# Altium PCB 3-as-manufactured.pcbdoc (part 12 of 12) (continued)
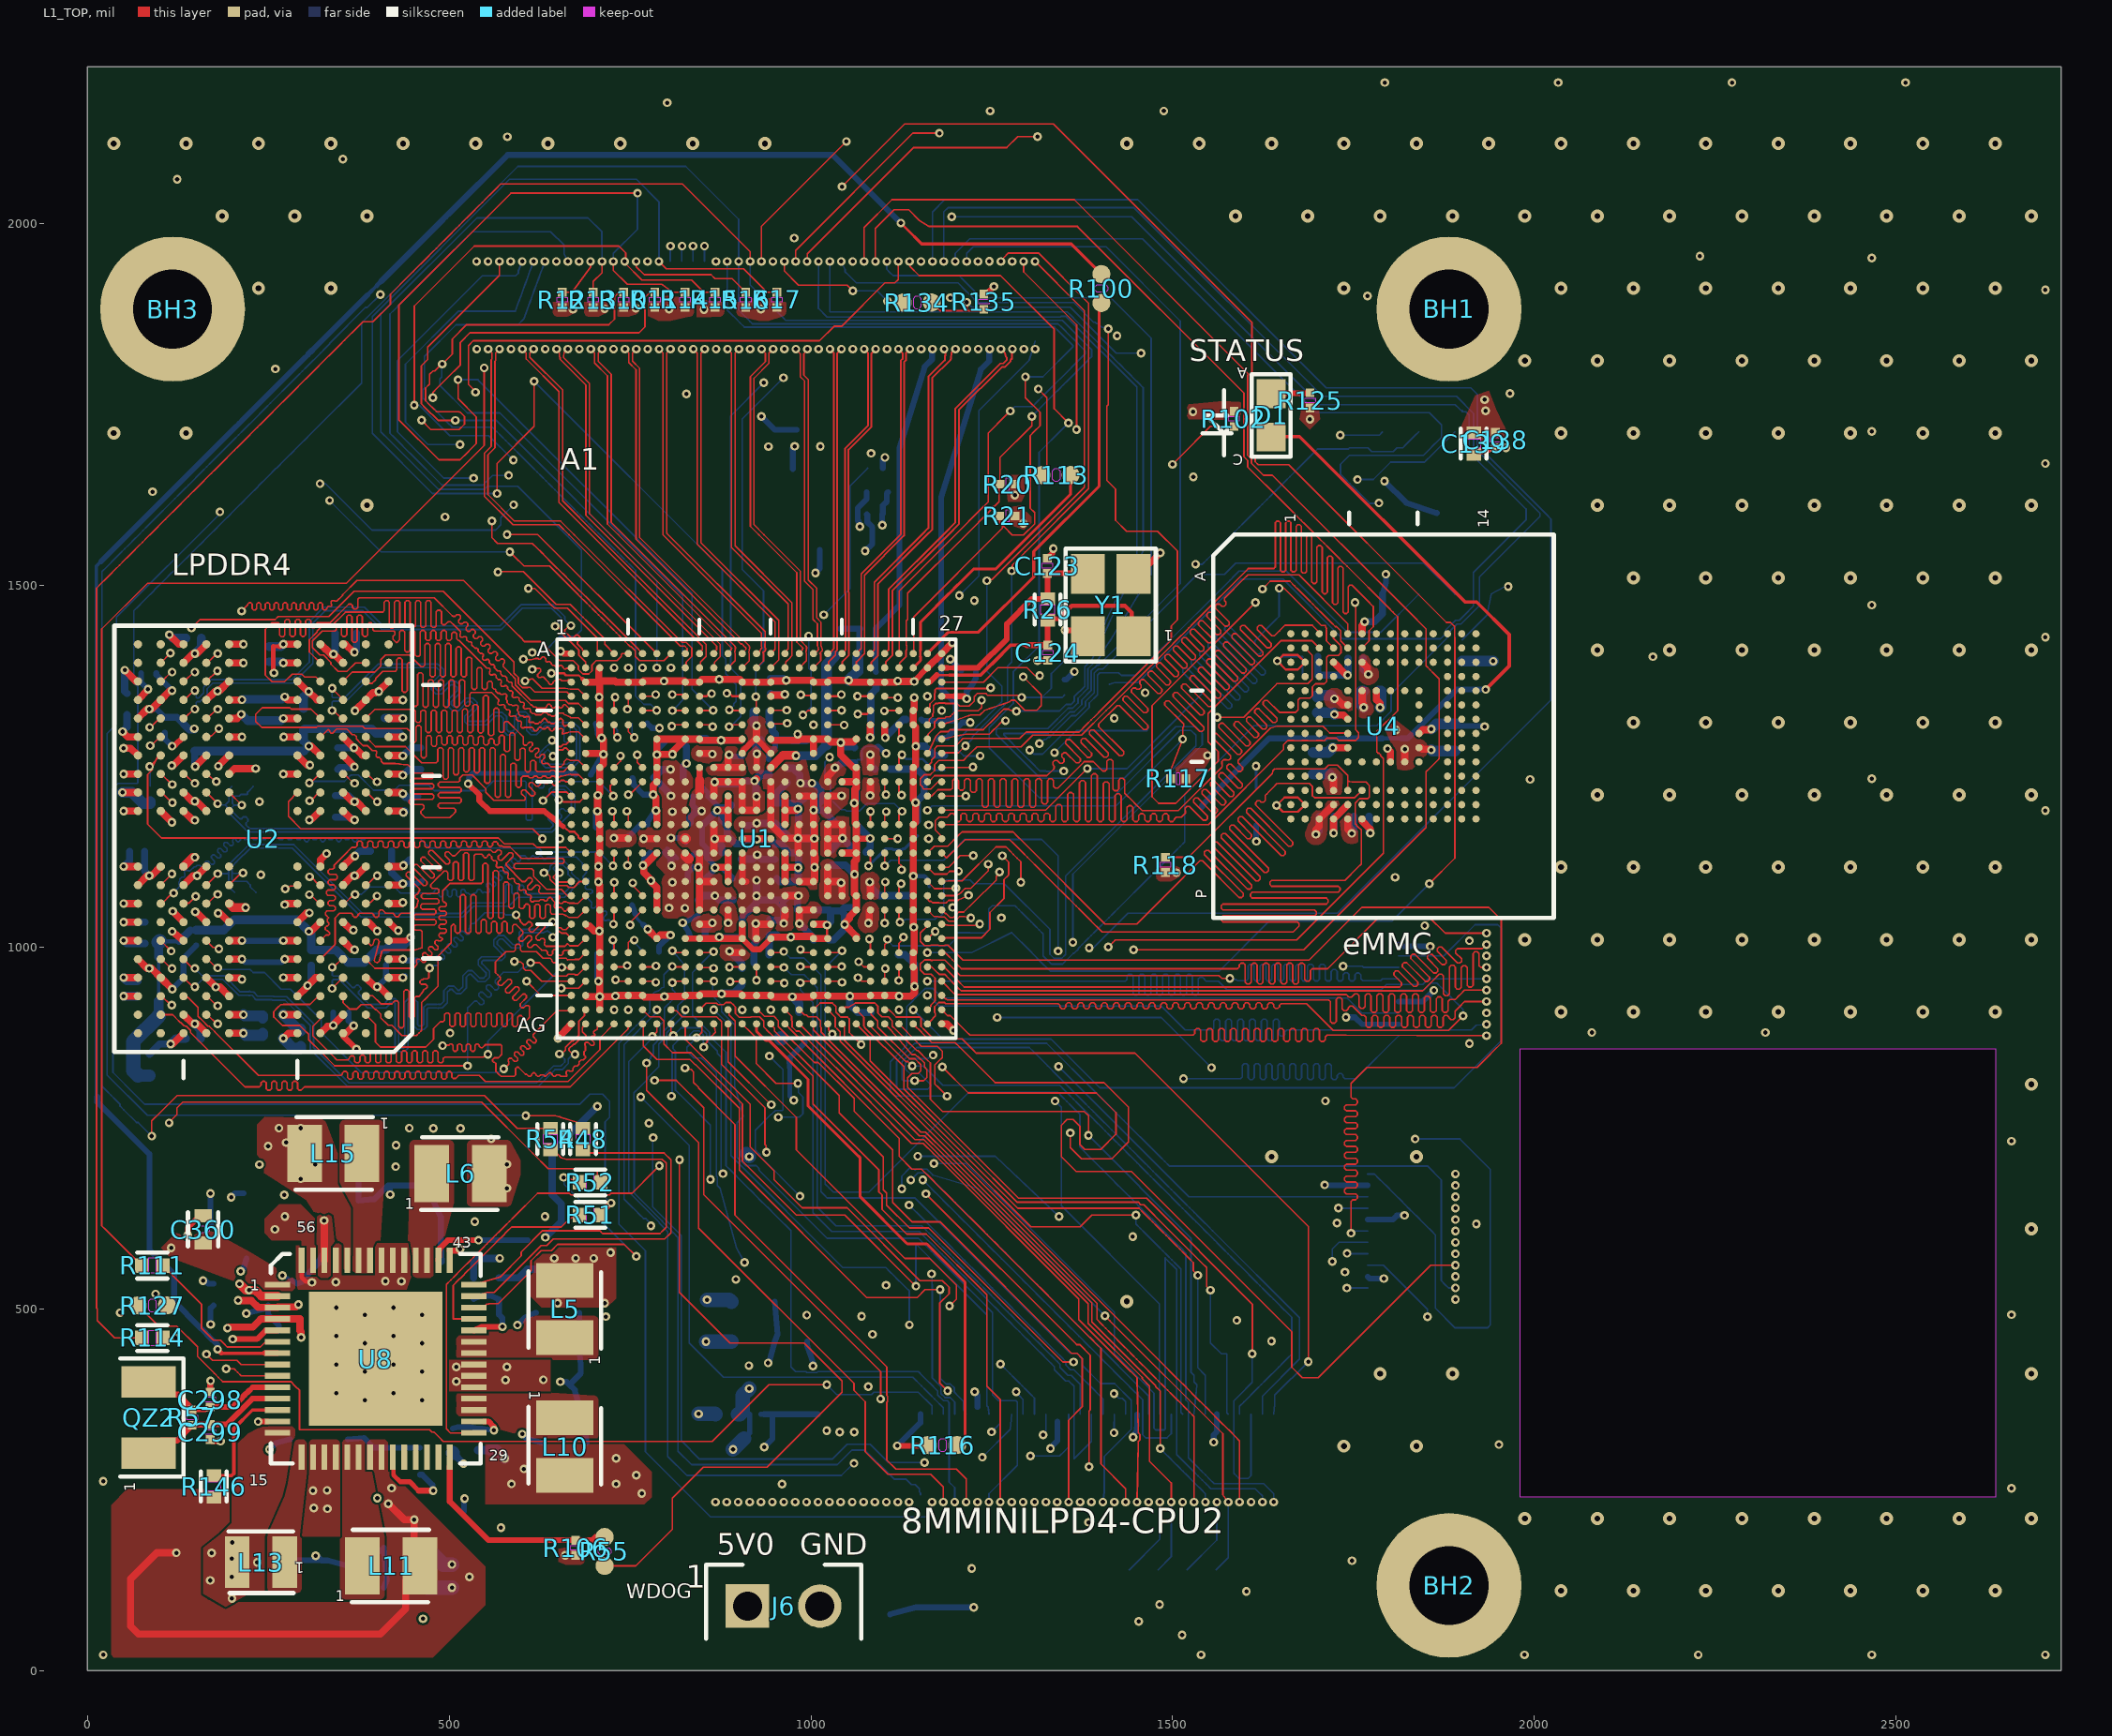
[diagram p0: L1_TOP view]
## Silkscreen, mask and mechanical layers (free items; w line width, h text height) (continued)
  text "D" at -8531.68,-3469.78 h135.48
  text "S" at -7613.28,-3469.78 h135.48
  text "i" at -7528.63,-3469.78 h135.48
  text "g" at -7443.98,-3469.78 h135.48
  text "n" at -7359.34,-3469.78 h135.48
  text "a" at -7274.69,-3469.78 h135.48
  text "l" at -7190.05,-3469.78 h135.48
  text "0" at -2716.52,-3469.78 h135.48
  text "." at -2631.88,-3469.78 h135.48
  text "7" at -2547.23,-3469.78 h135.48
  text "0" at -1489.16,-3469.78 h135.48
  text "." at -1404.52,-3469.78 h135.48
  text "5" at -1319.87,-3469.78 h135.48
  text "G" at 669.3,-3469.78 h135.48
  text "N" at 753.95,-3469.78 h135.48
  text "D" at 838.59,-3469.78 h135.48
  text "G" at 2201.39,-3469.78 h135.48
  text "N" at 2286.04,-3469.78 h135.48
  text "D" at 2370.68,-3469.78 h135.48
  text "G" at 3708.08,-3469.78 h135.48
  text "N" at 3792.73,-3469.78 h135.48
  text "D" at 3877.37,-3469.78 h135.48
  text "G" at 5214.78,-3469.78 h135.48
  text "N" at 5299.42,-3469.78 h135.48
  text "D" at 5384.07,-3469.78 h135.48
  text "G" at 6721.47,-3469.78 h135.48
  text "N" at 6806.11,-3469.78 h135.48
  text "D" at 6890.76,-3469.78 h135.48
  text "D" at -9166.52,-3643.3 h135.48
  text "i" at -9081.88,-3643.3 h135.48
  text "e" at -8997.23,-3643.3 h135.48
  text "l" at -8912.59,-3643.3 h135.48
  text "e" at -8827.94,-3643.3 h135.48
  text "c" at -8743.3,-3643.3 h135.48
  text "t" at -8658.65,-3643.3 h135.48
  text "r" at -8574,-3643.3 h135.48
  text "i" at -8489.36,-3643.3 h135.48
  text "c" at -8404.71,-3643.3 h135.48
  text "2" at -8320.07,-3643.3 h135.48
  text "C" at -7528.63,-3643.3 h135.48
  text "o" at -7443.98,-3643.3 h135.48
  text "r" at -7359.34,-3643.3 h135.48
  text "e" at -7274.69,-3643.3 h135.48
  text "V" at -6110.82,-3643.3 h135.48
  text "e" at -6026.17,-3643.3 h135.48
  text "n" at -5941.52,-3643.3 h135.48
  text "t" at -5856.88,-3643.3 h135.48
  text "e" at -5772.23,-3643.3 h135.48
  text "c" at -5687.59,-3643.3 h135.48
  text "V" at -4764.95,-3643.3 h135.48
  text "T" at -4680.3,-3643.3 h135.48
  text "4" at -4595.66,-3643.3 h135.48
  text "7" at -4511.01,-3643.3 h135.48
  text "_" at -4426.37,-3643.3 h135.48
  text "4" at -4341.72,-3643.3 h135.48
  text "." at -4257.07,-3643.3 h135.48
  text "0" at -4172.43,-3643.3 h135.48
  text "_" at -4087.78,-3643.3 h135.48
  text "1" at -4003.14,-3643.3 h135.48
  text "x" at -3918.49,-3643.3 h135.48
  text "2" at -3833.85,-3643.3 h135.48
  text "1" at -3749.2,-3643.3 h135.48
  text "1" at -3664.56,-3643.3 h135.48
  text "6" at -3579.91,-3643.3 h135.48
  text "4" at -2631.88,-3643.3 h135.48
  text "4" at -735.82,-3643.3 h135.48
  text "." at -651.17,-3643.3 h135.48
  text "2" at -566.52,-3643.3 h135.48
  text "0" at -363.37,-3643.3 h135.48
  text "." at -278.73,-3643.3 h135.48
  text "0" at -194.08,-3643.3 h135.48
  text "2" at -109.44,-3643.3 h135.48
  text "3" at -9526.27,-3816.83 h135.48
  text "L" at -9081.88,-3816.83 h135.48
  text "3" at -8997.23,-3816.83 h135.48
  text "_" at -8912.59,-3816.83 h135.48
  text "I" at -8827.94,-3816.83 h135.48
  text "N" at -8743.3,-3816.83 h135.48
  text "N" at -8658.65,-3816.83 h135.48
  text "E" at -8574,-3816.83 h135.48
  text "R" at -8489.36,-3816.83 h135.48
  text "1" at -8404.71,-3816.83 h135.48
  text "S" at -7613.28,-3816.83 h135.48
  text "i" at -7528.63,-3816.83 h135.48
  text "g" at -7443.98,-3816.83 h135.48
  text "n" at -7359.34,-3816.83 h135.48
  text "a" at -7274.69,-3816.83 h135.48
  text "l" at -7190.05,-3816.83 h135.48
  text "0" at -2716.52,-3816.83 h135.48
  text "." at -2631.88,-3816.83 h135.48
  text "7" at -2547.23,-3816.83 h135.48
  text "0" at -1489.16,-3816.83 h135.48
  text "." at -1404.52,-3816.83 h135.48
  text "5" at -1319.87,-3816.83 h135.48
  text "2" at 669.3,-3816.83 h135.48
  text "." at 753.95,-3816.83 h135.48
  text "2" at 838.59,-3816.83 h135.48
  text "N" at 2201.39,-3816.83 h135.48
  text "/" at 2286.04,-3816.83 h135.48
  text "U" at 2370.68,-3816.83 h135.48
  text "N" at 3708.08,-3816.83 h135.48
  text "/" at 3792.73,-3816.83 h135.48
  text "U" at 3877.37,-3816.83 h135.48
  text "N" at 5214.78,-3816.83 h135.48
  text "/" at 5299.42,-3816.83 h135.48
  text "U" at 5384.07,-3816.83 h135.48
  text "N" at 6721.47,-3816.83 h135.48
  text "/" at 6806.11,-3816.83 h135.48
  text "U" at 6890.76,-3816.83 h135.48
  text "D" at -9166.52,-3990.35 h135.48
  text "i" at -9081.88,-3990.35 h135.48
  text "e" at -8997.23,-3990.35 h135.48
  text "l" at -8912.59,-3990.35 h135.48
  text "e" at -8827.94,-3990.35 h135.48
  text "c" at -8743.3,-3990.35 h135.48
  text "t" at -8658.65,-3990.35 h135.48
  text "r" at -8574,-3990.35 h135.48
  text "i" at -8489.36,-3990.35 h135.48
  text "c" at -8404.71,-3990.35 h135.48
  text "3" at -8320.07,-3990.35 h135.48
  text "P" at -7655.6,-3990.35 h135.48
  text "r" at -7570.95,-3990.35 h135.48
  text "e" at -7486.31,-3990.35 h135.48
  text "p" at -7401.66,-3990.35 h135.48
  text "r" at -7317.02,-3990.35 h135.48
  text "e" at -7232.37,-3990.35 h135.48
  text "g" at -7147.72,-3990.35 h135.48
  text "V" at -6110.82,-3990.35 h135.48
  text "e" at -6026.17,-3990.35 h135.48
  text "n" at -5941.52,-3990.35 h135.48
  text "t" at -5856.88,-3990.35 h135.48
  text "e" at -5772.23,-3990.35 h135.48
  text "c" at -5687.59,-3990.35 h135.48
  text "V" at -4637.98,-3990.35 h135.48
  text "T" at -4553.33,-3990.35 h135.48
  text "4" at -4468.69,-3990.35 h135.48
  text "7" at -4384.04,-3990.35 h135.48
  text "_" at -4299.4,-3990.35 h135.48
  text "1" at -4214.75,-3990.35 h135.48
  text "." at -4130.11,-3990.35 h135.48
  text "9" at -4045.46,-3990.35 h135.48
  text "_" at -3960.81,-3990.35 h135.48
  text "1" at -3876.17,-3990.35 h135.48
  text "0" at -3791.52,-3990.35 h135.48
  text "6" at -3706.88,-3990.35 h135.48
  text "1" at -2758.85,-3990.35 h135.48
  text "." at -2674.2,-3990.35 h135.48
  text "7" at -2589.56,-3990.35 h135.48
  text "6" at -2504.91,-3990.35 h135.48
  text "3" at -735.82,-3990.35 h135.48
  text "." at -651.17,-3990.35 h135.48
  text "5" at -566.52,-3990.35 h135.48
  text "0" at -363.37,-3990.35 h135.48
  text "." at -278.73,-3990.35 h135.48
  text "0" at -194.08,-3990.35 h135.48
  text "2" at -109.44,-3990.35 h135.48
  text "4" at -9526.27,-4163.87 h135.48
  text "L" at -8954.91,-4163.87 h135.48
  text "4" at -8870.26,-4163.87 h135.48
  text "_" at -8785.62,-4163.87 h135.48
  text "G" at -8700.97,-4163.87 h135.48
  text "N" at -8616.33,-4163.87 h135.48
  text "D" at -8531.68,-4163.87 h135.48
  text "S" at -7613.28,-4163.87 h135.48
  text "i" at -7528.63,-4163.87 h135.48
  text "g" at -7443.98,-4163.87 h135.48
  text "n" at -7359.34,-4163.87 h135.48
  text "a" at -7274.69,-4163.87 h135.48
  text "l" at -7190.05,-4163.87 h135.48
  text "0" at -2716.52,-4163.87 h135.48
  text "." at -2631.88,-4163.87 h135.48
  text "7" at -2547.23,-4163.87 h135.48
  text "0" at -1489.16,-4163.87 h135.48
  text "." at -1404.52,-4163.87 h135.48
  text "5" at -1319.87,-4163.87 h135.48
  text "N" at 669.3,-4163.87 h135.48
  text "/" at 753.95,-4163.87 h135.48
  text "U" at 838.59,-4163.87 h135.48
  text "N" at 2201.39,-4163.87 h135.48
  text "/" at 2286.04,-4163.87 h135.48
  text "U" at 2370.68,-4163.87 h135.48
  text "N" at 3708.08,-4163.87 h135.48
  text "/" at 3792.73,-4163.87 h135.48
  text "U" at 3877.37,-4163.87 h135.48
  text "N" at 5214.78,-4163.87 h135.48
  text "/" at 5299.42,-4163.87 h135.48
  text "U" at 5384.07,-4163.87 h135.48
  text "N" at 6721.47,-4163.87 h135.48
  text "/" at 6806.11,-4163.87 h135.48
  text "U" at 6890.76,-4163.87 h135.48
  text "D" at -9166.52,-4337.4 h135.48
  text "i" at -9081.88,-4337.4 h135.48
  text "e" at -8997.23,-4337.4 h135.48
  text "l" at -8912.59,-4337.4 h135.48
  text "e" at -8827.94,-4337.4 h135.48
  text "c" at -8743.3,-4337.4 h135.48
  text "t" at -8658.65,-4337.4 h135.48
  text "r" at -8574,-4337.4 h135.48
  text "i" at -8489.36,-4337.4 h135.48
  text "c" at -8404.71,-4337.4 h135.48
  text "4" at -8320.07,-4337.4 h135.48
  text "C" at -7528.63,-4337.4 h135.48
  text "o" at -7443.98,-4337.4 h135.48
  text "r" at -7359.34,-4337.4 h135.48
  text "e" at -7274.69,-4337.4 h135.48
  text "V" at -6110.82,-4337.4 h135.48
  text "e" at -6026.17,-4337.4 h135.48
  text "n" at -5941.52,-4337.4 h135.48
  text "t" at -5856.88,-4337.4 h135.48
  text "e" at -5772.23,-4337.4 h135.48
  text "c" at -5687.59,-4337.4 h135.48
  text "V" at -4807.27,-4337.4 h135.48
  text "T" at -4722.63,-4337.4 h135.48
  text "4" at -4637.98,-4337.4 h135.48
  text "7" at -4553.33,-4337.4 h135.48
  text "_" at -4468.69,-4337.4 h135.48
  text "2" at -4384.04,-4337.4 h135.48
  text "8" at -4299.4,-4337.4 h135.48
  text "." at -4214.75,-4337.4 h135.48
  text "0" at -4130.11,-4337.4 h135.48
  text "_" at -4045.46,-4337.4 h135.48
  text "4" at -3960.81,-4337.4 h135.48
  text "x" at -3876.17,-4337.4 h135.48
  text "7" at -3791.52,-4337.4 h135.48
  text "6" at -3706.88,-4337.4 h135.48
  text "2" at -3622.23,-4337.4 h135.48
  text "8" at -3537.59,-4337.4 h135.48
  text "2" at -2674.2,-4337.4 h135.48
  text "8" at -2589.56,-4337.4 h135.48
  text "4" at -735.82,-4337.4 h135.48
  text "." at -651.17,-4337.4 h135.48
  text "3" at -566.52,-4337.4 h135.48
  text "0" at -363.37,-4337.4 h135.48
  text "." at -278.73,-4337.4 h135.48
  text "0" at -194.08,-4337.4 h135.48
  text "2" at -109.44,-4337.4 h135.48
  text "5" at -9526.27,-4510.92 h135.48
  text "L" at -8954.91,-4510.92 h135.48
  text "5" at -8870.26,-4510.92 h135.48
  text "_" at -8785.62,-4510.92 h135.48
  text "P" at -8700.97,-4510.92 h135.48
  text "W" at -8616.33,-4510.92 h135.48
  text "R" at -8531.68,-4510.92 h135.48
  text "S" at -7613.28,-4510.92 h135.48
  text "i" at -7528.63,-4510.92 h135.48
  text "g" at -7443.98,-4510.92 h135.48
  text "n" at -7359.34,-4510.92 h135.48
  text "a" at -7274.69,-4510.92 h135.48
  text "l" at -7190.05,-4510.92 h135.48
  text "0" at -2716.52,-4510.92 h135.48
  text "." at -2631.88,-4510.92 h135.48
  text "7" at -2547.23,-4510.92 h135.48
  text "0" at -1489.16,-4510.92 h135.48
  text "." at -1404.52,-4510.92 h135.48
  text "5" at -1319.87,-4510.92 h135.48
  text "N" at 669.3,-4510.92 h135.48
  text "/" at 753.95,-4510.92 h135.48
  text "U" at 838.59,-4510.92 h135.48
  text "N" at 2201.39,-4510.92 h135.48
  text "/" at 2286.04,-4510.92 h135.48
  text "U" at 2370.68,-4510.92 h135.48
  text "N" at 3708.08,-4510.92 h135.48
  text "/" at 3792.73,-4510.92 h135.48
  text "U" at 3877.37,-4510.92 h135.48
  text "N" at 5214.78,-4510.92 h135.48
  text "/" at 5299.42,-4510.92 h135.48
  text "U" at 5384.07,-4510.92 h135.48
  text "N" at 6721.47,-4510.92 h135.48
  text "/" at 6806.11,-4510.92 h135.48
  text "U" at 6890.76,-4510.92 h135.48
  text "D" at -9208.85,-4684.44 h135.48
  text "i" at -9124.2,-4684.44 h135.48
  text "e" at -9039.56,-4684.44 h135.48
  text "l" at -8954.91,-4684.44 h135.48
  text "e" at -8870.26,-4684.44 h135.48
  text "c" at -8785.62,-4684.44 h135.48
  text "t" at -8700.97,-4684.44 h135.48
  text "r" at -8616.33,-4684.44 h135.48
  text "i" at -8531.68,-4684.44 h135.48
  text "c" at -8447.04,-4684.44 h135.48
  text "2" at -8277.74,-4684.44 h135.48
  text "P" at -7655.6,-4684.44 h135.48
  text "r" at -7570.95,-4684.44 h135.48
  text "e" at -7486.31,-4684.44 h135.48
  text "p" at -7401.66,-4684.44 h135.48
  text "r" at -7317.02,-4684.44 h135.48
  text "e" at -7232.37,-4684.44 h135.48
  text "g" at -7147.72,-4684.44 h135.48
  text "V" at -6110.82,-4684.44 h135.48
  text "e" at -6026.17,-4684.44 h135.48
  text "n" at -5941.52,-4684.44 h135.48
  text "t" at -5856.88,-4684.44 h135.48
  text "e" at -5772.23,-4684.44 h135.48
  text "c" at -5687.59,-4684.44 h135.48
  text "V" at -4637.98,-4684.44 h135.48
  text "T" at -4553.33,-4684.44 h135.48
  text "4" at -4468.69,-4684.44 h135.48
  text "7" at -4384.04,-4684.44 h135.48
  text "_" at -4299.4,-4684.44 h135.48
  text "1" at -4214.75,-4684.44 h135.48
  text "." at -4130.11,-4684.44 h135.48
  text "9" at -4045.46,-4684.44 h135.48
  text "_" at -3960.81,-4684.44 h135.48
  text "1" at -3876.17,-4684.44 h135.48
  text "0" at -3791.52,-4684.44 h135.48
  text "6" at -3706.88,-4684.44 h135.48
  text "1" at -2758.85,-4684.44 h135.48
  text "." at -2674.2,-4684.44 h135.48
  text "7" at -2589.56,-4684.44 h135.48
  text "6" at -2504.91,-4684.44 h135.48
  text "3" at -735.82,-4684.44 h135.48
  text "." at -651.17,-4684.44 h135.48
  text "5" at -566.52,-4684.44 h135.48
  text "0" at -363.37,-4684.44 h135.48
  text "." at -278.73,-4684.44 h135.48
  text "0" at -194.08,-4684.44 h135.48
  text "2" at -109.44,-4684.44 h135.48
  text "6" at -9526.27,-4857.97 h135.48
  text "L" at -9081.88,-4857.97 h135.48
  text "6" at -8997.23,-4857.97 h135.48
  text "_" at -8912.59,-4857.97 h135.48
  text "I" at -8827.94,-4857.97 h135.48
  text "N" at -8743.3,-4857.97 h135.48
  text "N" at -8658.65,-4857.97 h135.48
  text "E" at -8574,-4857.97 h135.48
  text "R" at -8489.36,-4857.97 h135.48
  text "2" at -8404.71,-4857.97 h135.48
  text "S" at -7613.28,-4857.97 h135.48
  text "i" at -7528.63,-4857.97 h135.48
  text "g" at -7443.98,-4857.97 h135.48
  text "n" at -7359.34,-4857.97 h135.48
  text "a" at -7274.69,-4857.97 h135.48
  text "l" at -7190.05,-4857.97 h135.48
  text "0" at -2716.52,-4857.97 h135.48
  text "." at -2631.88,-4857.97 h135.48
  text "7" at -2547.23,-4857.97 h135.48
  text "0" at -1489.16,-4857.97 h135.48
  text "." at -1404.52,-4857.97 h135.48
  text "5" at -1319.87,-4857.97 h135.48
  text "2" at 669.3,-4857.97 h135.48
  text "." at 753.95,-4857.97 h135.48
  text "2" at 838.59,-4857.97 h135.48
  text "N" at 2201.39,-4857.97 h135.48
  text "/" at 2286.04,-4857.97 h135.48
  text "U" at 2370.68,-4857.97 h135.48
  text "N" at 3708.08,-4857.97 h135.48
  text "/" at 3792.73,-4857.97 h135.48
  text "U" at 3877.37,-4857.97 h135.48
  text "N" at 5214.78,-4857.97 h135.48
  text "/" at 5299.42,-4857.97 h135.48
  text "U" at 5384.07,-4857.97 h135.48
  text "N" at 6721.47,-4857.97 h135.48
  text "/" at 6806.11,-4857.97 h135.48
  text "U" at 6890.76,-4857.97 h135.48
  text "D" at -9208.85,-5031.49 h135.48
  text "i" at -9124.2,-5031.49 h135.48
  text "e" at -9039.56,-5031.49 h135.48
  text "l" at -8954.91,-5031.49 h135.48
  text "e" at -8870.26,-5031.49 h135.48
  text "c" at -8785.62,-5031.49 h135.48
  text "t" at -8700.97,-5031.49 h135.48
  text "r" at -8616.33,-5031.49 h135.48
  text "i" at -8531.68,-5031.49 h135.48
  text "c" at -8447.04,-5031.49 h135.48
  text "4" at -8277.74,-5031.49 h135.48
  text "C" at -7528.63,-5031.49 h135.48
  text "o" at -7443.98,-5031.49 h135.48
  text "r" at -7359.34,-5031.49 h135.48
  text "e" at -7274.69,-5031.49 h135.48
  text "V" at -6110.82,-5031.49 h135.48
  text "e" at -6026.17,-5031.49 h135.48
  text "n" at -5941.52,-5031.49 h135.48
  text "t" at -5856.88,-5031.49 h135.48
  text "e" at -5772.23,-5031.49 h135.48
  text "c" at -5687.59,-5031.49 h135.48
  text "V" at -4764.95,-5031.49 h135.48
  text "T" at -4680.3,-5031.49 h135.48
  text "4" at -4595.66,-5031.49 h135.48
  text "7" at -4511.01,-5031.49 h135.48
  text "_" at -4426.37,-5031.49 h135.48
  text "4" at -4341.72,-5031.49 h135.48
  text "." at -4257.07,-5031.49 h135.48
  text "0" at -4172.43,-5031.49 h135.48
  text "_" at -4087.78,-5031.49 h135.48
  text "1" at -4003.14,-5031.49 h135.48
  text "x" at -3918.49,-5031.49 h135.48
  text "2" at -3833.85,-5031.49 h135.48
  text "1" at -3749.2,-5031.49 h135.48
  text "1" at -3664.56,-5031.49 h135.48
  text "6" at -3579.91,-5031.49 h135.48
  text "4" at -2631.88,-5031.49 h135.48
  text "4" at -735.82,-5031.49 h135.48
  text "." at -651.17,-5031.49 h135.48
  text "2" at -566.52,-5031.49 h135.48
  text "0" at -363.37,-5031.49 h135.48
  text "." at -278.73,-5031.49 h135.48
  text "0" at -194.08,-5031.49 h135.48
  text "2" at -109.44,-5031.49 h135.48
  text "7" at -9526.27,-5205.01 h135.48
  text "L" at -8954.91,-5205.01 h135.48
  text "7" at -8870.26,-5205.01 h135.48
  text "_" at -8785.62,-5205.01 h135.48
  text "G" at -8700.97,-5205.01 h135.48
  text "N" at -8616.33,-5205.01 h135.48
  text "D" at -8531.68,-5205.01 h135.48
  text "S" at -7613.28,-5205.01 h135.48
  text "i" at -7528.63,-5205.01 h135.48
  text "g" at -7443.98,-5205.01 h135.48
  text "n" at -7359.34,-5205.01 h135.48
  text "a" at -7274.69,-5205.01 h135.48
  text "l" at -7190.05,-5205.01 h135.48
  text "0" at -2716.52,-5205.01 h135.48
  text "." at -2631.88,-5205.01 h135.48
  text "7" at -2547.23,-5205.01 h135.48
  text "0" at -1489.16,-5205.01 h135.48
  text "." at -1404.52,-5205.01 h135.48
  text "5" at -1319.87,-5205.01 h135.48
  text "G" at 669.3,-5205.01 h135.48
  text "N" at 753.95,-5205.01 h135.48
  text "D" at 838.59,-5205.01 h135.48
  text "N" at 2201.39,-5205.01 h135.48
  text "/" at 2286.04,-5205.01 h135.48
  text "U" at 2370.68,-5205.01 h135.48
  text "N" at 3708.08,-5205.01 h135.48
  text "/" at 3792.73,-5205.01 h135.48
  text "U" at 3877.37,-5205.01 h135.48
  text "N" at 5214.78,-5205.01 h135.48
  text "/" at 5299.42,-5205.01 h135.48
  text "U" at 5384.07,-5205.01 h135.48
  text "N" at 6721.47,-5205.01 h135.48
  text "/" at 6806.11,-5205.01 h135.48
  text "U" at 6890.76,-5205.01 h135.48
  text "D" at -9208.85,-5378.54 h135.48
  text "i" at -9124.2,-5378.54 h135.48
  text "e" at -9039.56,-5378.54 h135.48
  text "l" at -8954.91,-5378.54 h135.48
  text "e" at -8870.26,-5378.54 h135.48
  text "c" at -8785.62,-5378.54 h135.48
  text "t" at -8700.97,-5378.54 h135.48
  text "r" at -8616.33,-5378.54 h135.48
  text "i" at -8531.68,-5378.54 h135.48
  text "c" at -8447.04,-5378.54 h135.48
  text "6" at -8277.74,-5378.54 h135.48
  text "P" at -7655.6,-5378.54 h135.48
  text "r" at -7570.95,-5378.54 h135.48
  text "e" at -7486.31,-5378.54 h135.48
  text "p" at -7401.66,-5378.54 h135.48
  text "r" at -7317.02,-5378.54 h135.48
  text "e" at -7232.37,-5378.54 h135.48
  text "g" at -7147.72,-5378.54 h135.48
  text "V" at -6110.82,-5378.54 h135.48
  text "e" at -6026.17,-5378.54 h135.48
  text "n" at -5941.52,-5378.54 h135.48
  text "t" at -5856.88,-5378.54 h135.48
  text "e" at -5772.23,-5378.54 h135.48
  text "c" at -5687.59,-5378.54 h135.48
  text "V" at -4637.98,-5378.54 h135.48
  text "T" at -4553.33,-5378.54 h135.48
  text "4" at -4468.69,-5378.54 h135.48
  text "7" at -4384.04,-5378.54 h135.48
  text "_" at -4299.4,-5378.54 h135.48
  text "1" at -4214.75,-5378.54 h135.48
  text "." at -4130.11,-5378.54 h135.48
  text "9" at -4045.46,-5378.54 h135.48
  text "_" at -3960.81,-5378.54 h135.48
  text "1" at -3876.17,-5378.54 h135.48
  text "0" at -3791.52,-5378.54 h135.48
  text "6" at -3706.88,-5378.54 h135.48
  text "1" at -2758.85,-5378.54 h135.48
  text "." at -2674.2,-5378.54 h135.48
  text "7" at -2589.56,-5378.54 h135.48
  text "6" at -2504.91,-5378.54 h135.48
  text "3" at -735.82,-5378.54 h135.48
  text "." at -651.17,-5378.54 h135.48
  text "5" at -566.52,-5378.54 h135.48
  text "0" at -363.37,-5378.54 h135.48
  text "." at -278.73,-5378.54 h135.48
  text "0" at -194.08,-5378.54 h135.48
  text "2" at -109.44,-5378.54 h135.48
  text "8" at -9526.27,-5552.06 h135.48
  text "L" at -8954.91,-5552.06 h135.48
  text "8" at -8870.26,-5552.06 h135.48
  text "_" at -8785.62,-5552.06 h135.48
  text "B" at -8700.97,-5552.06 h135.48
  text "O" at -8616.33,-5552.06 h135.48
  text "T" at -8531.68,-5552.06 h135.48
  text "S" at -7613.28,-5552.06 h135.48
  text "i" at -7528.63,-5552.06 h135.48
  text "g" at -7443.98,-5552.06 h135.48
  text "n" at -7359.34,-5552.06 h135.48
  text "a" at -7274.69,-5552.06 h135.48
  text "l" at -7190.05,-5552.06 h135.48
  text "0" at -2801.17,-5552.06 h135.48
  text "." at -2716.52,-5552.06 h135.48
  text "6" at -2631.88,-5552.06 h135.48
  text "8" at -2547.23,-5552.06 h135.48
  text "9" at -2462.59,-5552.06 h135.48
  text "0" at -1489.16,-5552.06 h135.48
  text "." at -1404.52,-5552.06 h135.48
  text "5" at -1319.87,-5552.06 h135.48
  text "2" at 669.3,-5552.06 h135.48
  text "." at 753.95,-5552.06 h135.48
  text "2" at 838.59,-5552.06 h135.48
  text "N" at 2201.39,-5552.06 h135.48
  text "/" at 2286.04,-5552.06 h135.48
  text "U" at 2370.68,-5552.06 h135.48
  text "N" at 3708.08,-5552.06 h135.48
  text "/" at 3792.73,-5552.06 h135.48
  text "U" at 3877.37,-5552.06 h135.48
  text "N" at 5214.78,-5552.06 h135.48
  text "/" at 5299.42,-5552.06 h135.48
  text "U" at 5384.07,-5552.06 h135.48
  text "N" at 6721.47,-5552.06 h135.48
  text "/" at 6806.11,-5552.06 h135.48
  text "U" at 6890.76,-5552.06 h135.48
  text "B" at -9251.17,-5725.59 h135.48
  text "o" at -9166.52,-5725.59 h135.48
  text "t" at -9081.88,-5725.59 h135.48
  text "t" at -8997.23,-5725.59 h135.48
  text "o" at -8912.59,-5725.59 h135.48
  text "m" at -8827.94,-5725.59 h135.48
  text "S" at -8658.65,-5725.59 h135.48
  text "o" at -8574,-5725.59 h135.48
  text "l" at -8489.36,-5725.59 h135.48
  text "d" at -8404.71,-5725.59 h135.48
  text "e" at -8320.07,-5725.59 h135.48
  text "r" at -8235.42,-5725.59 h135.48
  text "S" at -7824.89,-5725.59 h135.48
  text "o" at -7740.24,-5725.59 h135.48
  text "l" at -7655.6,-5725.59 h135.48
  text "d" at -7570.95,-5725.59 h135.48
  text "e" at -7486.31,-5725.59 h135.48
  text "r" at -7401.66,-5725.59 h135.48
  text "M" at -7232.37,-5725.59 h135.48
  text "a" at -7147.72,-5725.59 h135.48
  text "s" at -7063.08,-5725.59 h135.48
  text "k" at -6978.43,-5725.59 h135.48
  text "T" at -6364.75,-5725.59 h135.48
  text "a" at -6280.11,-5725.59 h135.48
  text "i" at -6195.46,-5725.59 h135.48
  text "y" at -6110.82,-5725.59 h135.48
  text "o" at -6026.17,-5725.59 h135.48
  text "o" at -5856.88,-5725.59 h135.48
  text "r" at -5772.23,-5725.59 h135.48
  text "E" at -5602.94,-5725.59 h135.48
  text "q" at -5518.3,-5725.59 h135.48
  text "." at -5433.65,-5725.59 h135.48
  text "S" at -4595.66,-5725.59 h135.48
  text "o" at -4511.01,-5725.59 h135.48
  text "l" at -4426.37,-5725.59 h135.48
  text "d" at -4341.72,-5725.59 h135.48
  text "e" at -4257.07,-5725.59 h135.48
  text "r" at -4172.43,-5725.59 h135.48
  text "M" at -4003.14,-5725.59 h135.48
  text "a" at -3918.49,-5725.59 h135.48
  text "s" at -3833.85,-5725.59 h135.48
  text "k" at -3749.2,-5725.59 h135.48
  text "0" at -2716.52,-5725.59 h135.48
  text "." at -2631.88,-5725.59 h135.48
  text "6" at -2547.23,-5725.59 h135.48
  text "4" at -735.82,-5725.59 h135.48
  text "." at -651.17,-5725.59 h135.48
  text "2" at -566.52,-5725.59 h135.48
  text "0" at -236.41,-5725.59 h135.48
  text "B" at -9293.49,-5899.11 h135.48
  text "o" at -9208.85,-5899.11 h135.48
  text "t" at -9124.2,-5899.11 h135.48
  text "t" at -9039.56,-5899.11 h135.48
  text "o" at -8954.91,-5899.11 h135.48
  text "m" at -8870.26,-5899.11 h135.48
  text "O" at -8700.97,-5899.11 h135.48
  text "v" at -8616.33,-5899.11 h135.48
  text "e" at -8531.68,-5899.11 h135.48
  text "r" at -8447.04,-5899.11 h135.48
  text "l" at -8362.39,-5899.11 h135.48
  text "a" at -8277.74,-5899.11 h135.48
  text "y" at -8193.1,-5899.11 h135.48
  text "O" at -7655.6,-5899.11 h135.48
  text "v" at -7570.95,-5899.11 h135.48
  text "e" at -7486.31,-5899.11 h135.48
  text "r" at -7401.66,-5899.11 h135.48
  text "l" at -7317.02,-5899.11 h135.48
  text "a" at -7232.37,-5899.11 h135.48
  text "y" at -7147.72,-5899.11 h135.48
  text "W" at -4595.66,-5899.11 h135.48
  text "h" at -4511.01,-5899.11 h135.48
  text "i" at -4426.37,-5899.11 h135.48
  text "t" at -4341.72,-5899.11 h135.48
  text "e" at -4257.07,-5899.11 h135.48
  text "E" at -4087.78,-5899.11 h135.48
  text "p" at -4003.14,-5899.11 h135.48
  text "o" at -3918.49,-5899.11 h135.48
  text "x" at -3833.85,-5899.11 h135.48
  text "y" at -3749.2,-5899.11 h135.48
Sheet:
  drawing of 1187 lines, arcs and shapes, not listed
  text "B. JORDAN" at 20695,12577 h100
  text ".ItemRevision" at 15089.11,12570.16 h120
  text "INITIAL RELEASE" at 15554,12571 h120
  text "09-08-25" at 19737,12568 h100
  text "QSOM-IMX8-98.7r8.21" at 13915,-5001 h150
  text "THIS DOCUMENT CONTAINS INFORMATION" at 13896.65,-5199.63 h63
  text "___ COMPANY PUBLIC" at 11051.65,-5232.41 h63
  text "QUILTER" at 17083.65,-5277.41 h225
  text "PROPRIETARY TO QUILTER AND SHALL" at 13896.65,-5324.63 h63
  text "NOT BE USED FOR ENGINEERING DESIGN" at 13896.65,-5449.63 h63
  text "___ COMPANY INTERNAL" at 11051.65,-5532.41 h63
  text "X" at 11091.65,-5532.41 h100
  text "PROCUREMENT OR MANUFACTURE IN WHOLE" at 13896.65,-5574.63 h63
  text "OR IN PART WITHOUT THE CONSENT OF" at 13896.65,-5699.63 h63
  text "QUILTER." at 13896.65,-5824.63 h63
  text "___ COMPANY CONFIDENTIAL" at 11051.65,-5832.41 h63
  text "29315 Stonecrest Rd Rolling Hills Estates CA 90275" at 17088,-5848 h94
  text "PRINTED WIRING BOARD" at 17416.65,-6287.41 h175
  text "UNLESS OTHERWISE SPECIFIED / DIMENSIONS ARE IN MILS[MM] / TOLERANCES ARE:" at 11092.02,-6448.42 h90
  text "B. JORDAN" at 13900.65,-6465.41 h100
  text "09-08-25" at 15546.65,-6465.41 h100
  text "DECIMALS     ANGLES" at 11113.02,-6607.18 h90
  text "8MMINILPD4-CPU2-NoWiFiBT" at 17387,-6625 h175
  text ".XX .01       .0-30'" at 11115.02,-6760.18 h90
  text ".XXX .005" at 11128.02,-6928.18 h90
  text "RMS ALL MACHINED SURFACES" at 11530.02,-7100.18 h90
  text ".Pcb_File_Name_No_Path" at 16970,-7269 h150
  text ".ItemRevision" at 21212,-7284 h175
  text "BREAK ALL SHARP EDGES AND CORNERS, REMOVE BURRS. / UNDERLINED DIM. NOT TO SCALE." at 11103.02,-7702.11 h90
  text "1" at 21151.5,-7702.5 h125
  text "NONE" at 16863.5,-7709.5 h125
  text "1" at 20430.5,-7709.5 h125
Drill Drawing:
  lines w10: 11304.29,7246.83 11337.62,7213.5 11370.96,7246.83 11337.62,7280.17 11304.29,7246.83 ; 11304.29,7363.5 11370.96,7363.5 11370.96,7430.17 11304.29,7430.17 11304.29,7363.5 ; 11304.29,7530.17 11320.96,7530.17 11337.62,7513.5 11354.29,7530.17 11370.96,7530.17 11354.29,7546.83 11370.96,7563.5 11354.29,7563.5 11337.62,7580.17 11320.96,7563.5 11304.29,7563.5 11320.96,7546.83 11304.29,7530.17 ; 11304.29,7663.5 11370.96,7663.5 11370.96,7730.17 11304.29,7730.17 11304.29,7663.5 ; 11317.62,7376.83 11357.62,7376.83 11357.62,7416.83 11317.62,7416.83 11317.62,7376.83
  lines w15: 11244.5,7168.5 17394.85,7168.5 ; 11244.5,7768.5 17394.85,7768.5 ; 11795.38,7018.5 11795.38,7918.5 ; 12435.2,7018.5 12435.2,7918.5 ; 13584.87,7018.5 13584.87,7918.5 ; 14090.74,7018.5 14090.74,7918.5 ; 14824.55,7018.5 14824.55,7918.5 ; 16014.2,7018.5 16014.2,7918.5 ; 16604.05,7018.5 16604.05,7918.5 ; 11244.5,7018.5 17394.85,7018.5 17394.85,7918.5 11244.5,7918.5 11244.5,7018.5
  text "Symbol" at 11334.5,7813.5 h72
  text "Count" at 11840.38,7813.5 h72
  text "Hole Size" at 12480.2,7813.5 h72
  text "Plated" at 13629.87,7813.5 h72
  text "Hole Type" at 14135.74,7813.5 h72
  text "Drill Layer Pair" at 14869.55,7813.5 h72
  text "Via/Pad" at 16059.2,7813.5 h72
  text "Pad Shape" at 16649.05,7813.5 h72
  text "1041" at 11840.38,7663.5 h60
  text "5.90mil (0.150mm)" at 12480.2,7663.5 h60
  text "PTH" at 13629.87,7663.5 h60
  text "Round" at 14135.74,7663.5 h60
  text "L1_TOP - L8_BOT" at 14869.55,7663.5 h60
  text "Via" at 16059.2,7663.5 h60
  text "Rounded" at 16649.05,7663.5 h60
  text "146" at 11840.38,7513.5 h60
  text "8.00mil (0.203mm)" at 12480.2,7513.5 h60
  text "PTH" at 13629.87,7513.5 h60
  text "Round" at 14135.74,7513.5 h60
  text "L1_TOP - L8_BOT" at 14869.55,7513.5 h60
  text "Via" at 16059.2,7513.5 h60
  text "Rounded" at 16649.05,7513.5 h60
  text "2" at 11840.38,7363.5 h60
  text "40.00mil (1.016mm)" at 12480.2,7363.5 h60
  text "PTH" at 13629.87,7363.5 h60
  text "Round" at 14135.74,7363.5 h60
  text "L1_TOP - L8_BOT" at 14869.55,7363.5 h60
  text "Pad" at 16059.2,7363.5 h60
  text "Rounded" at 16649.05,7363.5 h60
  text "3" at 11840.38,7213.5 h60
  text "109.00mil (2.769mm)" at 12480.2,7213.5 h60
  text "PTH" at 13629.87,7213.5 h60
  text "Round" at 14135.74,7213.5 h60
  text "L1_TOP - L8_BOT" at 14869.55,7213.5 h60
  text "Pad" at 16059.2,7213.5 h60
  text "Rounded" at 16649.05,7213.5 h60
  text "1192 Total" at 11840.38,7063.5 h60
Top Designator:
  lines w1: -25,0 25,0 ; 0,-25 0,25

## Dimensions
2722,1866 to 3052,1592 on Fab Notes
0,2217 to 2728,2217 on Dimension
0,2217 to 0,0 on Dimension
0,0 to -579,-486 on Dimension

## Text inside footprints (layer, text, board x,y; h text height)
BH1: Bottom Designator "1" at 1878.85,1881.82 h10; Top Pin Number "1" at 1879.47,1871.82 h20
BH2: Bottom Designator "1" at 1878.85,118.04 h10; Top Pin Number "1" at 1879.47,108.04 h20
BH3: Bottom Designator "1" at 115.07,1881.82 h10; Top Pin Number "1" at 115.69,1871.82 h20
C20: Bottom Pin Number "2" at 890.07,1206.26 h25 r270; Bottom Pin Number "1" at 890.07,1235.78 h25 r270
C33: Bottom Pin Number "2" at 953.1,1084.7 h25 r90; Bottom Pin Number "1" at 953.1,1055.18 h25 r90
C55: Bottom Pin Number "2" at 892.54,1084.69 h25 r90; Bottom Pin Number "1" at 892.54,1055.17 h25 r90
C88: Bottom Pin Number "2" at 762.82,1058.1 h25 r180; Bottom Pin Number "1" at 792.34,1058.1 h25 r180
C89: Bottom Pin Number "2" at 763.49,1234 h25 r180; Bottom Pin Number "1" at 793.01,1234 h25 r180
C105: Bottom Pin Number "2" at 86.19,842.36 h25 r90; Bottom Pin Number "1" at 86.19,812.84 h25 r90
C106: Bottom Pin Number "2" at 54.89,1340.66 h25 r90; Bottom Pin Number "1" at 54.89,1311.14 h25 r90
C108: Bottom Pin Number "2" at 148.58,1290.59 h25 r90; Bottom Pin Number "1" at 148.58,1261.07 h25 r90
C109: Bottom Pin Number "2" at 298.93,1319.75 h25 r90; Bottom Pin Number "1" at 298.93,1290.23 h25 r90
C110: Bottom Pin Number "2" at 242.89,1323.14 h25 r270; Bottom Pin Number "1" at 242.89,1352.66 h25 r270
C111: Bottom Pin Number "2" at 343,1199.41 h25 r90; Bottom Pin Number "1" at 343,1169.89 h25 r90
C112: Bottom Pin Number "2" at 361.99,1434.05 h25; Bottom Pin Number "1" at 332.47,1434.05 h25
C113: Bottom Pin Number "2" at 460.89,1265.66 h25 r90; Bottom Pin Number "1" at 460.89,1236.14 h25 r90
C115: Bottom Pin Number "2" at 241.39,989.14 h25 r270; Bottom Pin Number "1" at 241.39,1018.66 h25 r270
C117: Bottom Pin Number "2" at 410.65,1132.9 h25; Bottom Pin Number "1" at 381.13,1132.9 h25
C118: Bottom Pin Number "2" at 346.54,1255.92 h25 r270; Bottom Pin Number "1" at 346.54,1285.44 h25 r270
C119: Bottom Pin Number "2" at 462.5,1101.45 h25 r270; Bottom Pin Number "1" at 462.5,1130.97 h25 r270
C130: Bottom Pin Number "2" at 1694.3,1258.95 h25 r90; Bottom Pin Number "1" at 1694.3,1229.43 h25 r90
C139: Bottom Designator "1" at 1916,1720.76 h25 r90; Bottom Designator "2" at 1916,1691.24 h25 r90
C234: Bottom Pin Number "2" at 1042.67,1173.08 h25 r180; Bottom Pin Number "1" at 1072.19,1173.08 h25 r180
C247: Bottom Pin Number "2" at 952.67,1189.1 h25 r90; Bottom Pin Number "1" at 952.67,1159.58 h25 r90
C260: Bottom Pin Number "2" at 520,209.76 h25 r90; Bottom Pin Number "1" at 520,180.24 h25 r90
C265: Bottom Pin Number "2" at 979.99,873.86 h25; Bottom Pin Number "1" at 950.47,873.86 h25
C266: Bottom Pin Number "2" at 80,1024.76 h25 r90; Bottom Pin Number "1" at 80,995.24 h25 r90
C275: Top Pin Number "2" at 625,494 h10 r90; Top Pin Number "1" at 625,554 h10 r90
C279: Top Pin Number "1" at 380,649 h10 r90; Top Pin Number "2" at 380,589 h10 r90
C281: Top Pin Number "1" at 679,360 h10; Top Pin Number "2" at 619,360 h10
C283: Top Pin Number "1" at 536,647 h10; Top Pin Number "2" at 476,647 h10
C285: Top Pin Number "1" at 685,554 h10 r90; Top Pin Number "2" at 685,494 h10 r90
C287: Top Pin Number "1" at 536,702 h10; Top Pin Number "2" at 476,702 h10
C295: Top Pin Number "1" at 679,440 h10; Top Pin Number "2" at 619,440 h10
C301: Top Pin Number "1" at 355,146 h10 r270; Top Pin Number "2" at 355,206 h10 r270
C303: Top Pin Number "1" at 685,256 h10 r270; Top Pin Number "2" at 685,316 h10 r270
C304: Top Pin Number "1" at 625,256 h10 r270; Top Pin Number "2" at 625,316 h10 r270
C306: Top Pin Number "1" at 365,319 h10 r90; Top Pin Number "2" at 365,259 h10 r90
C307: Top Pin Number "1" at 285,319 h10 r90; Top Pin Number "2" at 285,259 h10 r90
C311: Top Pin Number "1" at 469,165 h10; Top Pin Number "2" at 409,165 h10
C312: Top Pin Number "1" at 469,110 h10; Top Pin Number "2" at 409,110 h10
C316: Top Pin Number "1" at 489,560 h10; Top Pin Number "2" at 429,560 h10
C317: Top Pin Number "1" at 216,158 h10 r180; Top Pin Number "2" at 276,158 h10 r180
C324: Top Pin Number "1" at 311,715 h10 r180; Top Pin Number "2" at 371,715 h10 r180
C365: Top Pin Number "1" at 231,609 h10; Top Pin Number "2" at 171,609 h10
C401: Top Pin Number "2" at 889,505 h10; Top Pin Number "1" at 949,505 h10
C402: Top Pin Number "2" at 889,450 h10; Top Pin Number "1" at 949,450 h10
C403: Top Pin Number "2" at 994,450 h10; Top Pin Number "1" at 1054,450 h10
C404: Top Pin Number "2" at 1114.35,77.17 h10 r90; Top Pin Number "1" at 1114.35,137.17 h10 r90
D1: Top Overlay "C" at 1597.67,1681.13 h15 r180; Top Overlay "A" at 1603.16,1801.12 h15 r180
J4: Bottom Overlay "1" at 543.89,1813.9 h15 r90; Bottom Overlay "2" at 543.89,1988.9 h15 r90; Bottom Overlay "99" at 1323.21,1807.3 h15 r90; Bottom Overlay "100" at 1318.89,2008.9 h15 r90
J5: Bottom Overlay "2" at 847.23,208.9 h20 r180; Bottom Overlay "100" at 1644.42,208.06 h20 r180; Bottom Overlay "99" at 1648.8,393.9 h20 r180; Bottom Overlay "1" at 851.51,393.9 h20 r180; Bottom Assembly "1" at 851.51,393.9 h20 r180; Bottom Assembly "2" at 847.23,208.9 h20 r180; Bottom Assembly "100" at 1644.59,208.19 h20 r180; Bottom Assembly "99" at 1648.8,393.9 h20 r180; Bottom Pin Number "85" at 1537.48,354.53 h10; Bottom Pin Number "74" at 1442.99,233.27 h10; Bottom Pin Number "88" at 1553.23,233.27 h10; Bottom Pin Number "93" at 1600.47,354.53 h10; Bottom Pin Number "100" at 1651.72,233.27 h10; Bottom Pin Number "33" at 1128.03,354.53 h10; Bottom Pin Number "31" at 1112.28,354.53 h10; Bottom Pin Number "29" at 1096.54,354.53 h10; Bottom Pin Number "27" at 1080.79,354.53 h10; Bottom Pin Number "25" at 1065.04,354.53 h10; Bottom Pin Number "23" at 1049.29,354.53 h10; Bottom Pin Number "21" at 1033.54,354.53 h10; Bottom Pin Number "35" at 1143.78,354.53 h10; Bottom Pin Number "65" at 1380,354.53 h10; Bottom Pin Number "69" at 1411.5,354.53 h10; Bottom Pin Number "73" at 1442.99,354.53 h10; Bottom Pin Number "71" at 1427.24,354.53 h10; Bottom Pin Number "70" at 1411.5,233.27 h10; Bottom Pin Number "77" at 1474.49,354.53 h10; Bottom Pin Number "45" at 1222.52,354.53 h10; Bottom Pin Number "34" at 1128.03,233.27 h10; Bottom Pin Number "32" at 1112.28,233.27 h10; Bottom Pin Number "30" at 1096.54,233.27 h10; Bottom Pin Number "28" at 1080.79,233.27 h10; Bottom Pin Number "26" at 1065.04,233.27 h10; Bottom Pin Number "24" at 1049.29,233.27 h10; Bottom Pin Number "22" at 1033.54,233.27 h10; Bottom Pin Number "36" at 1143.78,233.27 h10; Bottom Pin Number "39" at 1175.28,354.53 h10; Bottom Pin Number "7" at 919.31,354.53 h10; Bottom Pin Number "5" at 903.56,354.53 h10; Bottom Pin Number "3" at 887.81,354.53 h10; Bottom Pin Number "1" at 872.06,354.53 h10; Bottom Pin Number "2" at 872.06,233.27 h10; Bottom Pin Number "4" at 887.81,233.27 h10; Bottom Pin Number "6" at 903.56,233.27 h10; Bottom Pin Number "8" at 919.31,233.27 h10; Bottom Pin Number "98" at 1631.97,233.27 h10; Bottom Pin Number "97" at 1631.97,354.53 h10; Bottom Pin Number "37" at 1159.53,354.53 h10; Bottom Pin Number "12" at 954.8,233.27 h10; Bottom Pin Number "10" at 939.06,233.27 h10; Bottom Pin Number "20" at 1017.8,233.27 h10; Bottom Pin Number "18" at 1002.05,233.27 h10; Bottom Pin Number "16" at 986.3,233.27 h10; Bottom Pin Number "14" at 970.55,233.27 h10; Bottom Pin Number "48" at 1238.27,233.27 h10; Bottom Pin Number "47" at 1238.27,354.53 h10; Bottom Pin Number "72" at 1427.24,233.27 h10; Bottom Pin Number "60" at 1332.76,233.27 h10; Bottom Pin Number "75" at 1458.74,354.53 h10; Bottom Pin Number "61" at 1348.5,354.53 h10; Bottom Pin Number "96" at 1616.22,233.27 h10; Bottom Pin Number "84" at 1521.73,233.27 h10; Bottom Pin Number "89" at 1568.98,354.53 h10; Bottom Pin Number "13" at 970.55,354.53 h10; Bottom Pin Number "15" at 986.3,354.53 h10; Bottom Pin Number "17" at 1002.05,354.53 h10; Bottom Pin Number "19" at 1017.8,354.53 h10; Bottom Pin Number "9" at 935.06,354.53 h10; Bottom Pin Number "11" at 954.8,354.53 h10; Bottom Pin Number "42" at 1191.02,233.27 h10; Bottom Pin Number "55" at 1301.26,354.53 h10; Bottom Pin Number "79" at 1490.24,354.53 h10; Bottom Pin Number "63" at 1364.25,354.53 h10; Bottom Pin Number "40" at 1175.28,233.27 h10; Bottom Pin Number "53" at 1285.51,354.53 h10; Bottom Pin Number "51" at 1269.76,354.53 h10; Bottom Pin Number "66" at 1380,233.27 h10; Bottom Pin Number "46" at 1222.52,233.27 h10; Bottom Pin Number "59" at 1332.76,354.53 h10; Bottom Pin Number "38" at 1159.53,233.27 h10; Bottom Pin Number "57" at 1317.01,354.53 h10; Bottom Pin Number "44" at 1206.77,233.27 h10; Bottom Pin Number "58" at 1317.01,233.27 h10; Bottom Pin Number "83" at 1521.73,354.53 h10; Bottom Pin Number "56" at 1301.26,233.27 h10; Bottom Pin Number "95" at 1616.22,354.53 h10; Bottom Pin Number "50" at 1254.02,233.27 h10; Bottom Pin Number "49" at 1254.02,354.53 h10; Bottom Pin Number "67" at 1395.75,354.53 h10; Bottom Pin Number "54" at 1285.51,233.27 h10; Bottom Pin Number "43" at 1206.77,354.53 h10; Bottom Pin Number "94" at 1600.47,233.27 h10; Bottom Pin Number "52" at 1269.76,233.27 h10; Bottom Pin Number "41" at 1191.02,354.53 h10; Bottom Pin Number "91" at 1584.72,354.53 h10; Bottom Pin Number "64" at 1364.25,233.27 h10; Bottom Pin Number "81" at 1505.98,354.53 h10; Bottom Pin Number "62" at 1348.5,233.27 h10; Bottom Pin Number "82" at 1505.98,233.27 h10; Bottom Pin Number "92" at 1584.72,233.27 h10; Bottom Pin Number "78" at 1474.49,233.27 h10; Bottom Pin Number "68" at 1395.75,233.27 h10; Bottom Pin Number "87" at 1553.23,354.53 h10; Bottom Pin Number "80" at 1490.24,233.27 h10; Bottom Pin Number "99" at 1647.72,354.53 h10; Bottom Pin Number "86" at 1537.48,233.27 h10; Bottom Pin Number "90" at 1568.98,233.27 h10; Bottom Pin Number "76" at 1458.74,233.27 h10
J6: Bottom Designator "1" at 913.42,89.57 h10 r90; Bottom Designator "2" at 1012.42,89.57 h10 r90; Bottom Component Outline "1" at 904.42,84.57 h20; Bottom Overlay "1" at 868.4,47 h31; Top Overlay "1" at 827.6,115 h31
J7: Bottom Overlay "1" at 1785.48,858.57 h20 r180; Bottom Overlay "19" at 1764.34,1063.57 h20 r180; Bottom Overlay "20" at 1955,1065 h20 r180; Bottom Overlay "2" at 1989.33,913 h20 r180; Bottom Assembly "1" at 1820.23,872.7 h20 r270; Bottom Assembly "19" at 1817.86,1013.57 h20 r270; Bottom Assembly "20" at 1952.86,1013.57 h20 r270; Bottom Assembly "2" at 1952.86,868.57 h20 r270; Bottom Pin Number "5" at 1813.23,917.2 h10 r180; Bottom Pin Number "11" at 1813.23,964.44 h10 r180; Bottom Pin Number "13" at 1813.23,980.19 h10 r180; Bottom Pin Number "15" at 1813.23,995.94 h10 r180; Bottom Pin Number "4" at 1922.13,897.02 h10 r180; Bottom Pin Number "10" at 1915.27,947.7 h10 r180; Bottom Pin Number "12" at 1915.27,963.44 h10 r180; Bottom Pin Number "14" at 1914.8,979.42 h10 r180; Bottom Pin Number "1" at 1813.23,885.7 h10 r180; Bottom Pin Number "2" at 1922.61,881.03 h10 r180; Bottom Pin Number "18" at 1915.27,1010.69 h10 r180; Bottom Pin Number "16" at 1915.75,994.7 h10 r180; Bottom Pin Number "17" at 1813.23,1011.69 h10 r180; Bottom Pin Number "7" at 1813.23,932.95 h10 r180; Bottom Pin Number "3" at 1813.23,901.45 h10 r180; Bottom Pin Number "6" at 1923.08,912.29 h10 r180; Bottom Pin Number "19" at 1813.23,1027.44 h10 r180; Bottom Pin Number "9" at 1813.23,948.7 h10 r180; Bottom Pin Number "8" at 1922.61,928.28 h10 r180; Bottom Pin Number "20" at 1913.7,1027.22 h10 r180
J8: Bottom Overlay "1" at 1930,679 h31; Bottom Overlay "23" at 1960,490 h31; Bottom Overlay "24" at 1750,495 h31; Bottom Overlay "2" at 1740,677 h31; Bottom Assembly "1" at 1880,695 h20 r90; Bottom Assembly "23" at 1880,515 h20 r90; Bottom Assembly "24" at 1795,515 h20 r90; Bottom Assembly "2" at 1795,700 h20 r90; Bottom Pin Number "9" at 1886.41,616.72 h10; Bottom Pin Number "19" at 1886.41,541.64 h10; Bottom Pin Number "10" at 1784.37,620.62 h10; Bottom Pin Number "20" at 1785.15,542.67 h10; Bottom Pin Number "24" at 1785.39,511.41 h10; Bottom Pin Number "7" at 1886.41,632.7 h10; Bottom Pin Number "4" at 1776.94,664.44 h10; Bottom Pin Number "8" at 1776.7,632.7 h10; Bottom Pin Number "16" at 1784.13,573.14 h10; Bottom Pin Number "2" at 1776.7,679.94 h10; Bottom Pin Number "22" at 1785.15,526.92 h10; Bottom Pin Number "23" at 1886.41,511.18 h10; Bottom Pin Number "5" at 1886.41,648.45 h10; Bottom Pin Number "18" at 1784.37,557.63 h10; Bottom Pin Number "14" at 1784.61,589.37 h10; Bottom Pin Number "12" at 1784.37,604.87 h10; Bottom Pin Number "21" at 1886.41,524.77 h10; Bottom Pin Number "3" at 1886.41,664.2 h10; Bottom Pin Number "13" at 1886.41,589.13 h10; Bottom Pin Number "17" at 1886.41,557.63 h10; Bottom Pin Number "15" at 1886.41,573.38 h10; Bottom Pin Number "6" at 1776.47,648.22 h10; Bottom Pin Number "1" at 1886.41,677.8 h10; Bottom Pin Number "11" at 1886.41,602.73 h10
L5: Top Overlay "1" at 709.06,422.9 h15 r90
L6: Top Overlay "1" at 438.87,638.37 h15
L10: Top Overlay "1" at 610.94,387.1 h15 r270
L11: Top Overlay "1" at 342.9,95.94 h15
L13: Top Overlay "1" at 299.87,150 h15 r180
L15: Top Overlay "1" at 417.1,764.06 h15 r180
Q1: Bottom Overlay "2" at 1661.37,1140.11 h15 r90
QZ2: Top Overlay "1" at 66.26,247.63 h15 r90